# Allegro board PROC048A_BRD.brd (continued)
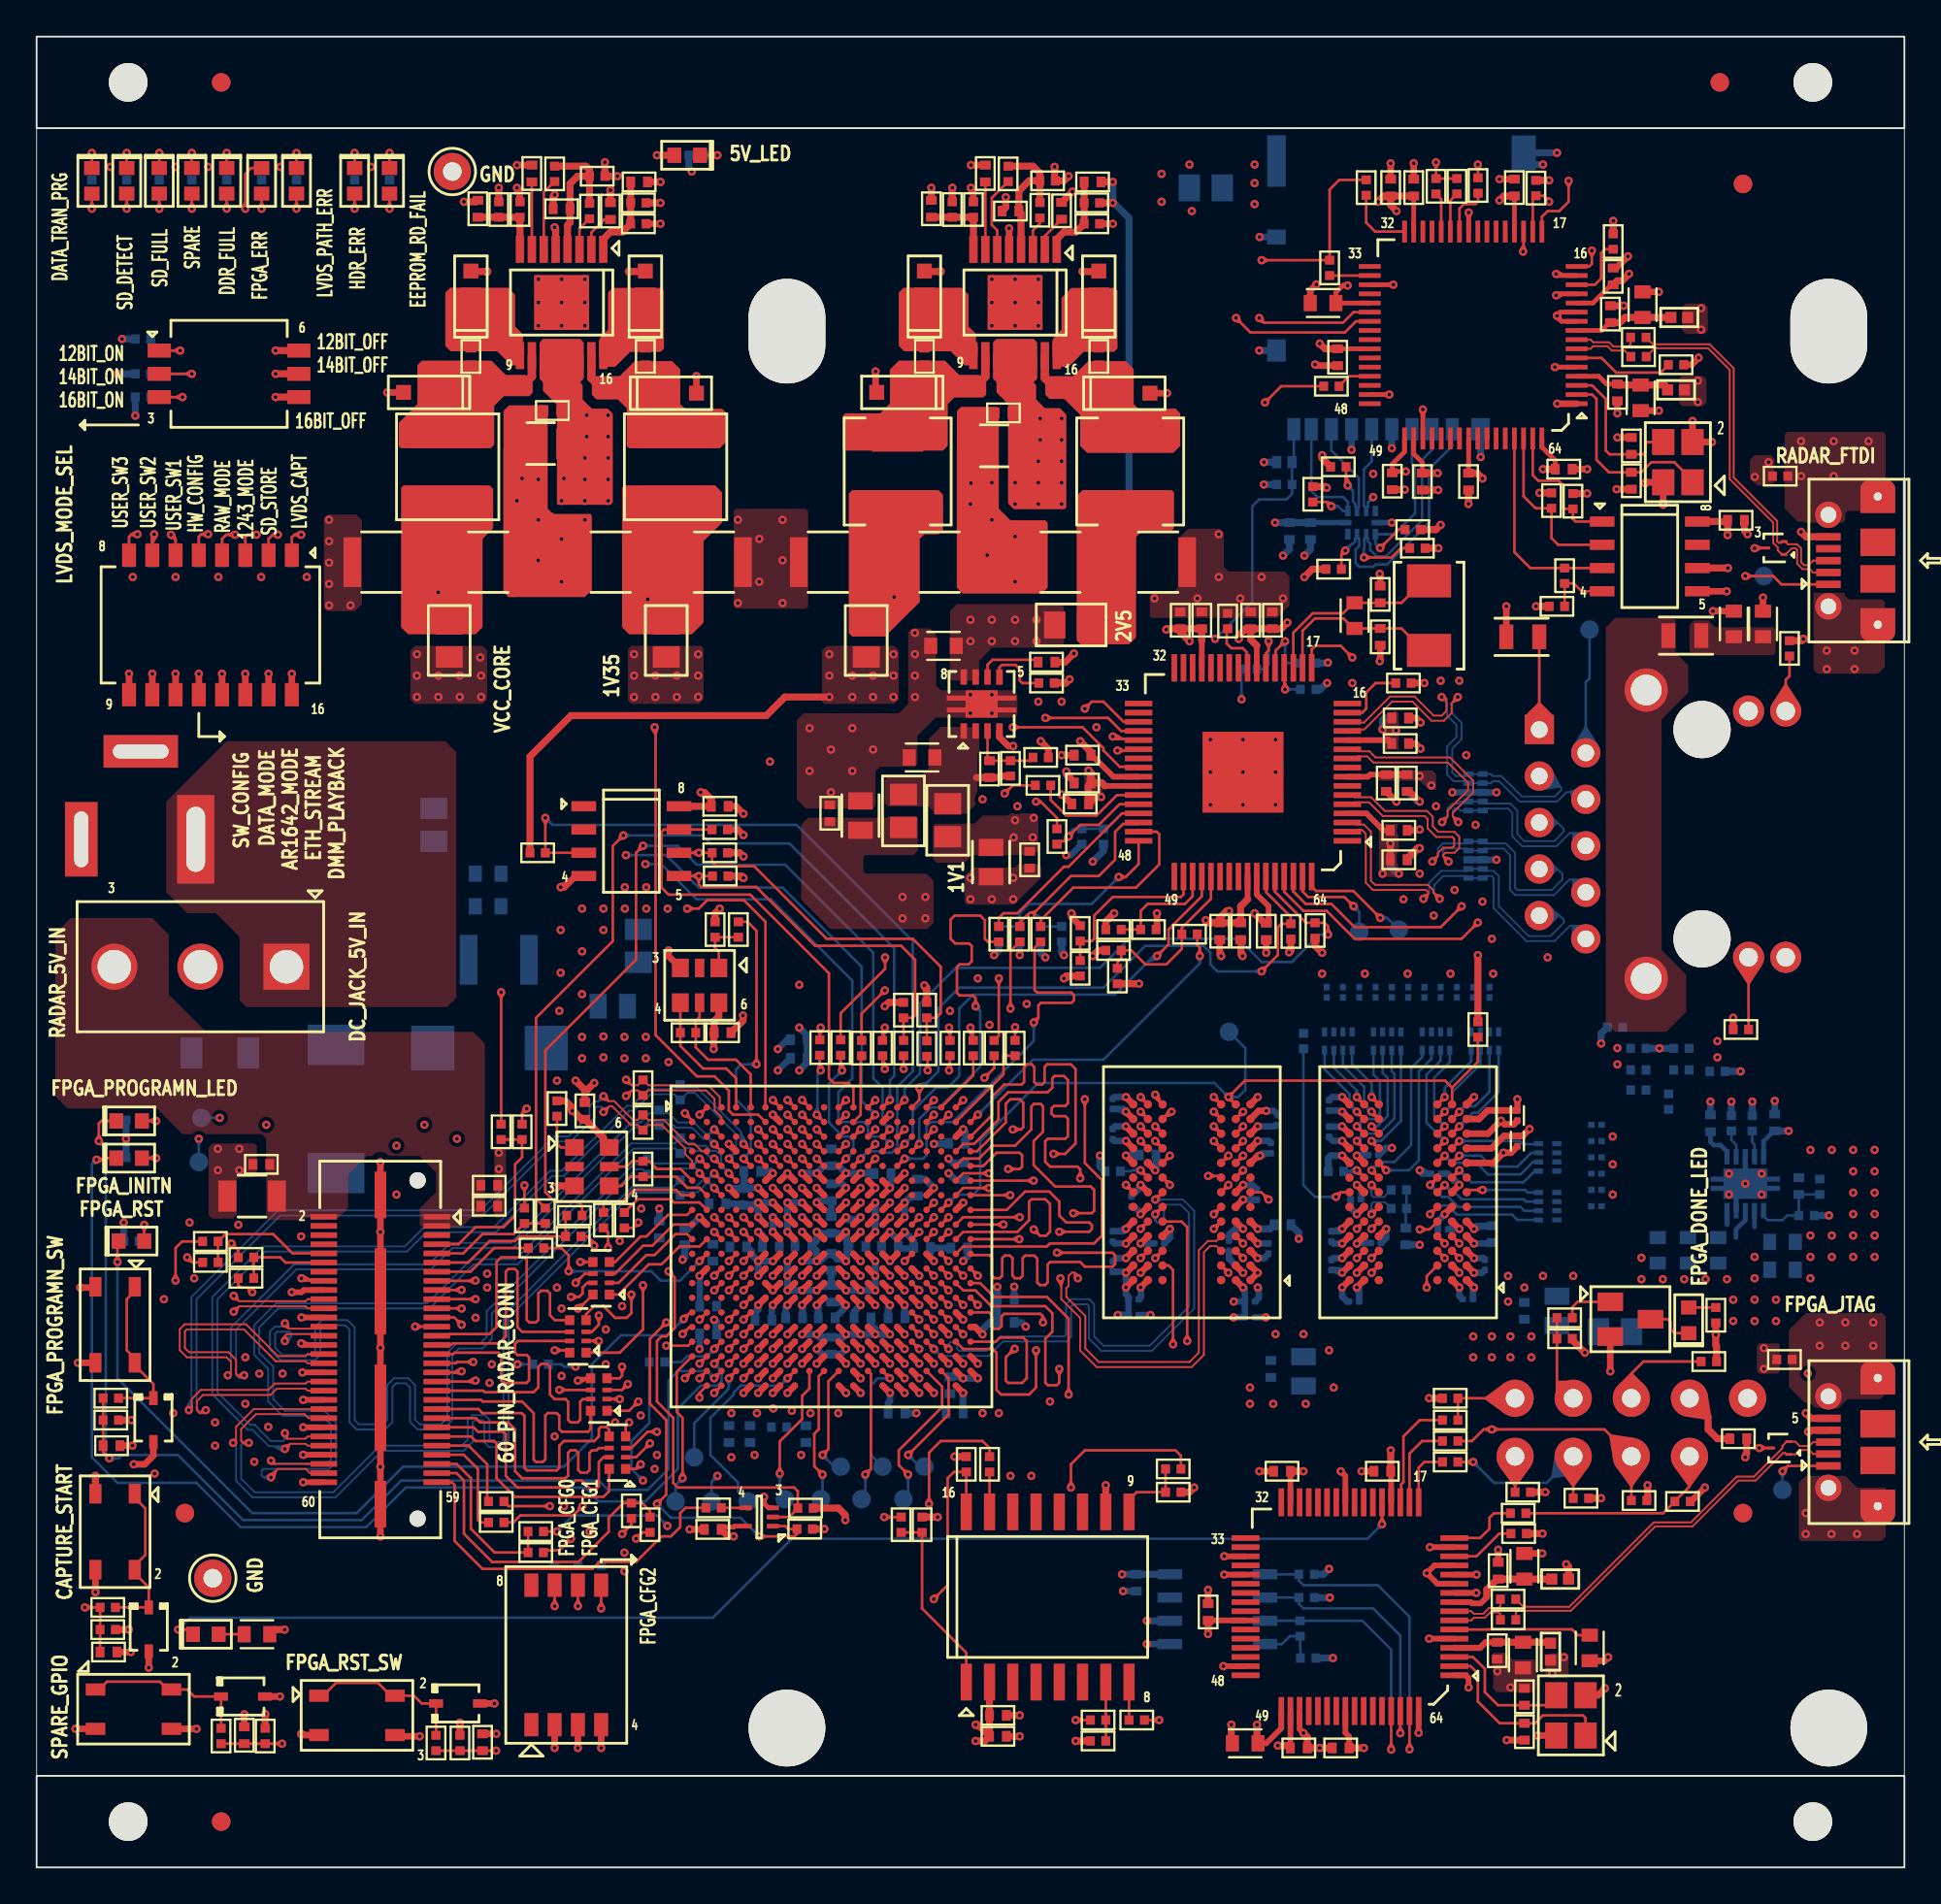
[diagram p0: board, top side]
## Placement (name value [footprint] x y rotation side) (continued)
NOREF  -  []  49.09 -45.09 0 top
NOREF#2  -  []  -337.09 -104.09 0 top
NOREF#3  -  [unnamed#2]  8.1 19.35 0 top
NOREF#4  -  [unnamed#2]  97.87 7.61 0 top
NOREF#5  -  []  50.51 23.54 0 top
NOREF#6  -  [unnamed#3]  97.87 83.91 0 top
NOREF#7  -  [unnamed#2]  40.98 83.91 0 top
NOREF#8  -  [unnamed#4]  5 97.5 0 top
NOREF#9  -  [unnamed#2]  93.19 19.35 0 top
NOREF#10  -  [unnamed#4]  5 2.5 0 top
NOREF#11  -  [unnamed#2]  10.08 2.5 0 top
NOREF#12  -  []  97.87 7.61 0 top
NOREF#13  -  []  97.87 7.61 90 top
NOREF#14  -  [unnamed#2]  91.92 97.5 0 top
NOREF#15  -  []  -14.89 -67.14 0 top
NOREF#16  -  []  -87.39 -56.45 0 top
NOREF#17  -  [unnamed#5]  40.98 7.61 0 top
NOREF#18  -  []  0 5 90 top
NOREF#19  -  [unnamed#2]  93.19 91.95 0 top
NOREF#20  -  []  0 0 90 top
NOREF#21  -  [unnamed#4]  97 2.5 0 top
NOREF#22  -  []  102 5 90 top
NOREF#23  -  [unnamed#4]  97 97.5 0 top
NOREF#24  -  []  40.98 83.91 0 top
NOREF#25  -  []  0 95 0 top
NOREF#26  -  [unnamed#2]  10.08 97.5 0 top
NOREF#27  -  []  -338.36 -84.45 0 top
NOREF#28  -  [unnamed#2]  93.19 19.35 180 bottom
NOREF#29  -  [unnamed#2]  93.19 91.95 180 bottom
NOREF#30  -  [unnamed#2]  10.08 2.5 180 bottom
NOREF#31  -  [unnamed#2]  10.08 97.5 180 bottom
NOREF#32  -  [unnamed#2]  91.92 97.5 180 bottom
NOREF#33  -  [unnamed#2]  8.1 19.35 180 bottom
Q1  MMBT3904-7-F  [TO_SOT23-123]  87.04 29.94 270 top
R1  10E  [RES0402]  30.61 92.38 0 top
R2  10E  [RES0402]  55.21 92.12 0 top
R3  0E  [RES0402]  78.72 91.87 270 top
R4  0E  [RES0402]  76.42 91.83 270 top
R5  0E  [RES0402]  77.56 91.83 270 top
R6  0E  [RES0402]  72.61 91.75 270 top
R7  10K  [RES0402_0-5]  81.88 91.73 270 top
R8  10K  [RES0402_0-5]  28.29 92.5 270 top
R9  10K  [RES0402_0-5]  53.05 92.5 270 top
R10  3.92K  [RES0402_0-5]  32.86 90.92 180 top
R11  10K  [RES0402_0-5]  57.63 90.92 180 top
R12  1.91K  [RES0402]  25.24 90.56 270 top
R13  2.21K  [RES0402]  26.4 90.56 90 top
R14  10K  [RES0402_0-5]  50.01 90.56 270 top
R15  2.21K  [RES0402]  51.16 90.56 90 top
R16  10K  [RES0402_0-5]  30.19 90.47 270 top
R17  10K  [RES0402_0-5]  54.79 90.52 270 top
R18  3.16K  [RES0402]  32.86 89.78 0 top
R19  3.16K  [RES0402]  57.63 89.78 0 top
R20  4.7K  [RES0402]  86.1 88.81 270 top
R21  1K  [RES0402]  36.04 93.52 180 bottom
R22  0E  [RES0402]  70.61 87.37 270 top
R23  0E  [RES0402]  87.47 83.57 180 top
R24  0E  [RES0402]  87.48 82.52 180 top
R25  10K  [RES0402_0-5]  89.53 82.08 180 top
R26  0E  [RES0402]  70.71 80.9 0 top
R27  0E  [RES0402]  95.22 75.99 0 top
R28  10K  [RES0402_0-5]  71.09 76.5 0 top
R29  10K  [RES0402_0-5]  69.69 75 270 top
R30  10K  [RES0402_0-5]  82.73 74.66 270 top
R31  10K  [RES0402_0-5]  83.9 74.62 270 top
R32  10K  [RES0402_0-5]  75.15 73.07 180 top
R33  10K  [RES0402_0-5]  75.41 72.06 180 top
R34  10K  [RES0402_0-5]  70.83 70.91 0 top
R35  2.2K  [RES0402_0-5]  83.45 70.55 90 top
R37  10K  [RES0402_0-5]  83.03 68.88 0 top
R38  1M  [RES0603_0-75]  71.98 68.37 270 top
R39  4.7K  [RES0402]  65.04 68.08 90 top
R40  220E  [RES0402_0-5]  95.73 66.58 270 top
R41  0E  [RES0805]  90.01 67.28 180 top
R42  0E  [RES0805]  81.16 67.21 0 top
R43  0E  [RES0402]  55.15 64.69 180 top
R44  11K  [RES0402_0-5]  74.64 64.69 0 top
R45  1.91K  [RES0402]  53.18 60.03 90 top
R46  5.11K  [RES0402]  54.83 60.63 0 top
R47  22E  [RES0402]  54.96 59.1 0 top
R48  0E  [RES0402]  55.72 56.31 90 top
R49  10K  [RES0402_0-5]  37.31 56.69 0 top
R50  10K  [RES0402_0-5]  27.36 55.42 0 top
R51  2.2K  [RES0402_0-5]  37.31 55.42 180 top
R52  2.2K  [RES0402_0-5]  37.33 54.15 180 top
R53  10K  [RES0402_0-5]  37.05 51.23 270 top
R54  0E  [RES0402]  38.32 51.23 270 top
R55  11K  [RES0402_0-5]  58.81 51.23 180 top
R56  2.49K  [RES0402]  60.72 51.23 180 top
R57  4.7K  [RES0402]  68.5 51.12 90 top
R58  2.2K  [RES0402_0-5]  69.82 51.18 90 top
R59  2.49K  [RES0402]  56.99 51.02 270 top
R60  0E  [RES0402]  52.55 50.97 270 top
R61  0E  [RES0402]  53.69 50.97 270 top
R62  0E  [RES0402]  54.83 50.97 270 top
R63  0E  [RES0402]  62.96 50.97 180 top
R64  6.04K  [RES0402]  58.81 50.08 0 top
R65  11K  [RES0402_0-5]  56.99 49.11 270 top
R66  2.49K  [RES0402]  59.02 48.69 90 top
R67  10K  [RES0402_0-5]  47.34 46.83 270 top
R68  10K  [RES0402_0-5]  48.61 46.83 270 top
R69  10K  [RES0402_0-5]  78.71 45.77 270 top
R70  220E  [RES0402_0-5]  93.07 45.77 0 top
R71  100E  [RES0402]  35.57 45.59 0 top
R72  22E  [RES0402]  42.77 44.78 90 top
R73  0E  [RES0402]  43.91 44.78 270 top
R74  22E  [RES0402]  45.05 44.75 270 top
R75  22E  [RES0402]  46.2 44.75 270 top
R76  0E  [RES0402]  47.35 44.75 270 top
R77  0E  [RES0402]  49.88 44.75 270 top
R78  0E  [RES0402]  51.15 44.75 270 top
R79  0E  [RES0402]  52.29 44.75 270 top
R80  0E  [RES0402]  53.43 44.75 270 top
R81  0E  [RES0402]  48.62 44.72 270 top
R82  100E  [RES0402]  33.11 42.59 270 top
R83  10K  [RES0402_0-5]  28.42 41.45 270 top
R84  100E  [RES0402]  33.11 40.69 270 top
R85  0E  [RES0402]  25.37 40.18 270 top
R86  0E  [RES0402]  26.51 40.18 270 top
R87  680E  [RES0402]  5.3 40.81 0 bottom
R88  100E  [RES0402]  33.11 38.15 90 top
R89  680E  [RES0402]  5.3 38.78 0 bottom
R90  0E  [RES0402]  11.43 33.32 0 top
R91  0E  [RES0402]  26.64 35.59 270 top
R92  0E  [RES0402]  27.78 35.59 270 top
R93  680E  [RES0402]  5.17 34.21 0 bottom
R94  22E  [RES0402]  30.96 35.35 270 top
R95  22E  [RES0402]  32.1 35.35 270 top
R96  0E  [RES0402]  11.43 32.18 0 top
R97  0E  [RES0402]  9.49 34.19 0 top
R98  0E  [RES0402]  27.27 33.83 180 top
R99  0E  [RES0402]  29.37 35.61 180 top
R100  0E  [RES0402]  9.49 33.05 0 top
R101  0E  [RES0402]  29.3 34.46 180 top
R103  220E  [RES0402_0-5]  91.7 30.16 90 top
R104  10K  [RES0402_0-5]  83.45 30.02 180 top
R107  10K  [RES0402_0-5]  83.45 28.88 180 top
R109  0E  [RES0402]  95.45 27.74 0 top
R111  10K  [RES0402_0-5]  91.32 27.63 180 top
R114  100E  [RES0402]  4.05 25.63 0 top
R115  4.7K  [RES0402]  77.2 25.62 180 top
R117  10K  [RES0402_0-5]  4.05 24.43 180 top
R118  0E  [RES0402]  77.2 24.43 0 top
R120  22E  [RES0402]  27.53 27.48 180 bottom
R121  0E  [RES0402]  77.2 23.29 0 top
R124  0E  [RES0402]  77.2 22.14 0 top
R125  1K  [RES0402]  50.77 22.02 270 top
R126  0E  [RES0402]  52.04 22.02 270 top
R127  0E  [RES0402]  62.07 21.76 180 top
R131  4.7K  [RES0402]  62.07 20.49 180 top
R132  10K  [RES0402_0-5]  81.16 20.49 180 top
R133  4.7K  [RES0402]  84.33 20.16 0 top
R134  4.7K  [RES0402]  87.51 20.04 0 top
R135  4.7K  [RES0402]  89.88 19.99 0 top
R136  0E  [RES0402]  25.1 19.99 180 top
R138  0E  [RES0402]  32.48 19.48 90 top
R139  0E  [RES0402]  33.5 18.72 90 top
R140  0E  [RES0402]  80.91 19.34 0 top
R141  0E  [RES0402]  25.1 18.84 180 top
R142  0E  [RES0402]  27.26 18.34 180 top
R143  0E  [RES0402]  36.97 19.64 180 top
R144  10K  [RES0402_0-5]  41.99 19.63 180 top
R145  4.7K  [RES0402]  80.93 18.23 180 top
R146  0E  [RES0402]  27.26 17.2 180 top
R147  10K  [RES0402_0-5]  41.95 18.48 180 top
R148  0E  [RES0402]  47.21 18.72 270 top
R149  4.7K  [RES0402]  48.35 18.72 270 top
R150  0E  [RES0402]  80.36 14.65 180 top
R151  100E  [RES0402]  3.89 14.2 0 top
R152  0E  [RES0402]  80.36 13.52 180 top
R153  10K  [RES0402_0-5]  3.89 12.99 180 top
R154  220E  [RES0603_0-75]  12.03 12.73 180 top
R155  12K  [RES0603_0-75]  84.82 11.98 270 top
R156  0E  [RES0402]  57.97 8.05 0 top
R157  0E  [RES0402]  60.08 8.05 180 top
R158  4.7K  [RES0402]  57.97 6.9 0 top
R159  100E  [RES0402]  10.07 7.18 90 top
R160  10K  [RES0402_0-5]  12.48 7.18 270 top
R161  100E  [RES0402]  21.81 6.8 90 top
R162  10K  [RES0402_0-5]  23.12 6.8 270 top
R163  220E  [RES0402_0-5]  19.27 91.74 90 bottom
R164  220E  [RES0402_0-5]  17.37 91.74 90 bottom
R165  220E  [RES0402_0-5]  14.19 91.74 90 bottom
R166  220E  [RES0402_0-5]  10.38 91.74 90 bottom
R167  220E  [RES0402_0-5]  12.29 91.74 90 bottom
R168  220E  [RES0402_0-5]  8.48 91.74 90 bottom
R169  220E  [RES0402_0-5]  6.7 91.74 90 bottom
R170  220E  [RES0402_0-5]  4.92 91.74 90 bottom
R171  220E  [RES0402_0-5]  3.02 91.74 90 bottom
R172  10K  [RES0402_0-5]  68.14 75.54 0 bottom
R173  10K  [RES0402_0-5]  13.94 71.67 90 bottom
R174  10K  [RES0402_0-5]  12.67 71.67 90 bottom
R175  10K  [RES0402_0-5]  11.4 71.67 90 bottom
R176  10K  [RES0402_0-5]  10.13 71.67 90 bottom
R177  10K  [RES0402_0-5]  8.86 71.67 90 bottom
R178  10K  [RES0402_0-5]  7.59 71.67 90 bottom
R179  10K  [RES0402_0-5]  6.32 71.67 90 bottom
R180  10K  [RES0402_0-5]  5.05 71.67 90 bottom
R181  2.2K  [RES0402_0-5]  69.44 65.78 180 bottom
R182  22E  [RES0402]  66.22 65.45 0 bottom
R183  2.2K  [RES0402_0-5]  69.44 64.34 180 bottom
R184  6.04K  [RES0402]  58.26 56.31 90 bottom
R185  2.49K  [RES0402]  57.08 56.31 90 bottom
R186  11K  [RES0402_0-5]  55.97 50.97 270 bottom
R187  2.49K  [RES0402]  54.83 50.97 90 bottom
R188  2.49K  [RES0402]  53.69 50.97 90 bottom
R189  11K  [RES0402_0-5]  52.55 50.97 270 bottom
R190  0E  [RES0402]  86.2 45.89 180 bottom
R191  50E  [RES0402]  69.18 45.13 90 bottom
R192  0E  [RES0402]  89.82 44.74 0 bottom
R193  0E  [RES0402]  87.47 44.74 180 bottom
R194  0E  [RES0402]  89.82 43.56 180 bottom
R195  0E  [RES0402]  87.47 43.56 180 bottom
R196  0E  [RES0402]  91.79 43.48 0 bottom
R197  0E  [RES0402]  87.47 42.46 0 bottom
R198  100E  [RES0402]  35.15 42.34 90 bottom
R199  0E  [RES0402]  89.12 41.83 90 bottom
R200  100E  [RES0402]  34 40.94 270 bottom
R201  10K  [RES0402_0-5]  93.69 40.65 270 bottom
R202  10K  [RES0402_0-5]  92.55 40.65 270 bottom
R203  100E  [RES0402]  35.15 39.42 270 bottom
R204  100E  [RES0402]  33.37 38.27 90 bottom
R205  240E  [RES0402]  70.96 38.02 180 bottom
R206  240E  [RES0402]  58.77 38.02 180 bottom
R207  10K  [RES0402_0-5]  97.38 37.18 90 bottom
R208  100E  [RES0402]  35.15 37.13 90 bottom
R209  50E  [RES0402]  74.39 37 0 bottom
R210  50E  [RES0402]  74.39 35.99 0 bottom
R211  10K  [RES0402_0-5]  96.65 35.61 180 bottom
R213  33E  [RES0402_0-5]  33.88 27.61 0 bottom
R214  0E  [RES0402]  40.54 24.05 0 bottom
R215  1K  [RES0402]  30.83 16.07 270 bottom
R216  1K  [RES0402]  29.56 16.07 270 bottom
R217  1K  [RES0402]  28.29 16.07 270 bottom
R218  10K  [RES0402_0-5]  69.35 16.01 180 bottom
R219  10K  [RES0402_0-5]  69.36 14.74 180 bottom
R220  2.2K  [RES0402_0-5]  69 13.05 90 bottom
R221  10K  [RES0402_0-5]  69.44 11.44 180 bottom
R222  10K  [RES0402_0-5]  5.81 81.58 180 bottom
R223  10K  [RES0402_0-5]  5.81 83.49 180 bottom
R224  10K  [RES0402_0-5]  5.81 80.31 180 bottom
RA1  22E  [RESA_EXB28V_0402-4_0-5]  30.83 32.18 90 top
RA2  22E  [RESA_EXB28V_0402-4_0-5]  29.56 29 90 top
RA3  22E  [RESA_EXB28V_0402-4_0-5]  30.7 25.83 90 top
RA4  22E  [RESA_EXB28V_0402-4_0-5]  31.72 22.65 90 top
RA5  51E  [RESA_741C_0402-4_0-5]  79.09 45.13 0 bottom
RA6  51E  [RESA_741C_0402-4_0-5]  76.42 45.13 0 bottom
RA7  51E  [RESA_741C_0402-4_0-5]  73.75 45.13 0 bottom
RA8  51E  [RESA_741C_0402-4_0-5]  71.09 45.13 0 bottom
RA9  51E  [RESA_741C_0402-4_0-5]  82.52 38.78 270 bottom
RA10  51E  [RESA_741C_0402-4_0-5]  82.52 36.11 270 bottom
S1  TDA04H0SB1R  [SW8_50X300_245X245_SMD]  28.92 11.6 0 top
SW1  416131160803  [SW6_4161311608_210X230_SMD_2-7]  10.51 81.58 270 top
SW2  218-8LPSTR  [SW8_218-8LPST_450X230_SMD_2-7]  9.49 67.86 180 top
SW3  500SSP1S2M2QEA  [SW3_500SSP1S2M2_510X260_TH_15-1]  13.64 49.2 180 top
SW4  PTS810 SJG 250 SMTR LFS  [SW4_84X163_170X130_SMD]  4.29 29.64 270 top
SW5  PTS810 SJG 250 SMTR LFS  [SW4_84X163_170X130_SMD]  4.29 18.33 270 top
SW6  PTS810 SJG 250 SMTR LFS  [SW4_84X163_170X130_SMD]  5.29 8.64 0 top
SW7  PTS810 SJG 250 SMTR LFS  [SW4_84X163_170X130_SMD]  17.49 8.3 0 top
TP1  THRU HOLE  [TP_40X80]  80.74 25.62 180 bottom
TP2  THRU HOLE  [TP_40X80]  83.91 25.62 180 bottom
TP3  THRU HOLE  [TP_40X80]  87.09 25.62 180 bottom
TP4  THRU HOLE  [TP_40X80]  90.26 25.62 90 bottom
TP5  THRU HOLE  [TP_40X80]  93.44 25.62 90 bottom
TP6  THRU HOLE  [TP_40X80]  80.74 22.45 180 bottom
TP7  THRU HOLE  [TP_40X80]  83.91 22.45 90 bottom
TP8  THRU HOLE  [TP_40X80]  87.09 22.45 180 bottom
TP9  THRU HOLE  [TP_40X80]  90.26 22.45 180 bottom
TP10  SMD  [TP40_SMD]  84.8 67.61 180 bottom
TP11  SMD  [TP40_SMD]  74.39 51.23 180 bottom
TP12  SMD  [TP40_SMD]  72.23 51.1 180 bottom
TP13  SMD  [TP40_SMD]  65.12 45.64 180 bottom
TP14  SMD  [TP40_SMD]  35.91 22.4 180 bottom
TP15  SMD  [TP40_SMD]  48.48 21.89 180 bottom
TP16  SMD  [TP40_SMD]  46.2 21.89 180 bottom
TP17  SMD  [TP40_SMD]  43.91 21.89 180 bottom
TP18  SMD  [TP40_SMD]  47.34 20.11 180 bottom
TP19  SMD  [TP40_SMD]  45.05 20.11 180 bottom
TP20  SMD  [TP40_SMD]  42.83 20.11 180 bottom
TP21  SMD  [TP40_SMD]  40.86 20.11 180 bottom
TP22  SMD  [TP40_SMD]  38.83 19.99 180 bottom
TP23  SMD  [TP40_SMD]  36.86 19.99 180 bottom
TP27  SMD  [TP40_SMD]  8.98 40.94 180 bottom
TP28  SMD  [TP40_SMD]  8.86 38.53 180 bottom
TP29  SMD  [TP40_SMD]  34.89 19.99 180 bottom
TP30  SMD  [TP40_SMD]  95.34 20.62 180 bottom
TP31  SMD  [TP40_SMD]  94.33 70.53 180 bottom
TP32  THRU HOLE  [TP_40X80]  9.62 15.79 0 top
TP33  THRU HOLE  [TP_40X80]  22.7 92.63 0 top
U1  LM26400YMHX  [ETSSOP16_25-59_200X180]  28.67 85.48 270 top
U2  LM26400YMHX  [ETSSOP16_25-59_200X180]  53.43 85.48 270 top
U3  FT4232HL  [LQFP64_19-68_390X390]  78.45 83.7 180 top
U4  93LC56C-I/SN  [SOIC8_1-8]  88.09 71.61 0 top
U5  TPS7A8101DRBT  [SON8_25-59_120X120]  51.61 63.55 90 top
U6  DP83867IRPAPT  [EQFP64_19-68_400X400]  65.88 59.82 180 top
U7  AT24CM02  [SOIC8]  32.48 56.05 0 top
U8  100.000MHz  [OSC6_ASEMP_130X100_SMD_0-9]  36.2 48.18 180 top
U9  100.000MHz  [OSC6_ASEMP_130X100_SMD_0-9]  30.32 38.27 270 top
U10  MT41K1G8SN-125 IT:A  [FBGA78_31-49_360X520_1-2]  63.09 36.88 180 top
U11  MT41K1G8SN-125 IT:A  [FBGA78_31-49_360X520_1-2]  74.9 36.88 180 top
U12  LFE5UM-85F-8BG381I  [CABGA381_31-49_670X670_1-8]  43.4 33.91 0 top
U13  SN74LVC1G08DRLR  [SOT553-5_0-6]  39.46 19.14 180 top
U14  MT25QL128ABA8ESF-0SIT  [SOIC16_W_2-7]  55.21 14.77 90 top
U15  FT2232HL  [LQFP64_19-68_400X400]  71.72 14.24 180 top
U16  TPD6E001RSER  [UQFN10_19-68_80X60_0-6]  72.36 73.45 270 bottom
U17  TPD4E05U06QDQARQ1  [USON10_TPD4E05U_40X100_0-6]  78.58 58.72 180 bottom
U18  TPD4E05U06QDQARQ1  [USON10_TPD4E05U_40X100_0-6]  78.58 55.04 180 bottom
U19  TPS51200DRCT  [SON10_19-68_125X125_1]  93.31 37.34 90 bottom
U20  93LC56C-I/SN  [SOIC8_1-8]  64.48 14.1 180 bottom
Y1  12.000MHz  [XTAL4_86-61X62-99_130X105_SMD_0-6]  89.63 76.75 90 top
Y2  25.000MHz  [XTAL_ABM3_205X130_SMD_1-4]  76.04 68.37 270 top
Y3  12.000MHz  [XTAL4_86-61X62-99_130X105_SMD_0-6]  83.79 8.3 90 top

## Library data of the parts
C1-C125 C127-C216 = CAP
C126 = CAP_POL
D1-D8 = DIODE_SCHOTTKY
D9 D11 = TPD2EUSB30D_SOT-3
D10 D12-D14 = DIODE_SOD323
D15 = DIODE_PESD
D16 = DIODE_TVS_DUAL
F1 = FUSE
FB1-FB4 = INDUCTOR_FERRITE
FL1-FL10 = EMIFILTER_IND
J1 J4 = CON_USB-B_5_4SH
J2 = CON_PWRJACK3_RAPC722
J3 = CON_PMC_30X2_M
J5 = CON_SDCARD_8_DM3AT-SF-PEJM
J6 = CON_RJ45-14_LPJG16414A4NL
L1-L4 = INDUCTOR
LD1-LD15 = DIODE_LED
Q1 = NPN_BEC
R1-R22 R25-R34 R37-R46 R49 R50 R53 R54 R57 R63 R64 R67-R71 R73 R75 R76 R81-R84 R86-R90 R92 R93 R97-R100 R103 R104 R107 R109 R111 R114 R115 R117 R118 R121 R124-R127 R131-R136 R138-R149 R151 R153-R180 R182 R184 R190-R211 R213-R219 R221-R224 = RESISTOR
R23 R24 R48 R60-R62 R77-R80 R85 R91 R96 R101 R150 R152 = RESISTOR: signal model: RESISTOR_RES0402_0-5_0E_0E
R35 R51 R52 R55 R56 R58 R59 R65 R66 R181 R183 R185-R189 R220 = RESISTOR: room: PHY_6
R47 R72 R74 R94 R95 R120 = RESISTOR: signal model: RESISTOR_RES0402_22E_1%_22E_1%
RA1-RA4 = RESARR_ISO4: signal model: RESARR_ISO4_RESA_EXB28V_0402-4__22E
RA5-RA10 = RESARR_ISO4
S1 = SW8_TDA04H0SB1R
SW1 = SW6_219-3MST
SW2 = SW8_218-8LPSTR
SW3 = SW3_1103
SW4-SW7 = SW4_1571634
TP1-TP23 TP27-TP33 = TESTPOINT
U1 U2 = LM26400YMHX_HTSSOP16
U3 = FT4232H _LQFP64
U4 U20 = 93LC56B-I/SN_SOIC8
U5 = TPS7A8101DRB_SON8
U6 = DP83867IRPAPT_HTQFP64
U7 = AT24CM02-SSHD_SOIC8
U8 U9 = OSC6_ASEMPXX
U10 U11 = MT41J128M8JP-125_FBGA78
U12 = LFE5UM-85F-7BG381I_CSBGA381
U13 = SN74LVC1G08DRLR_SOT553-5
U14 = MT25QL128ABA8ESF_SOIC16
U15 = FT2232H_LQFP64
U16 = TPD6E001RSE_UQFN10
U17 U18 = TPD4E05U06DQAR_USON10
U19 = TPS51200DRCT_SON10
Y1 Y3 = CRY4_13
Y2 = CRY

## Footprints (pads in the part's own frame, mm; a bottom-side part is the same pattern mirrored in y, then rotated)
CABGA381_31-49_670X670_1-8
  round 0.356 smd: A2(-6.8,7.6) A3(-6,7.6) A4(-5.2,7.6) A5(-4.4,7.6) A6(-3.6,7.6) A7(-2.8,7.6) A8(-2,7.6) A9(-1.2,7.6) A10(-0.4,7.6) A11(0.4,7.6) A12(1.2,7.6) A13(2,7.6) A14(2.8,7.6) A15(3.6,7.6) A16(4.4,7.6) A17(5.2,7.6) A18(6,7.6) A19(6.8,7.6) B1(-7.6,6.8) B2(-6.8,6.8) B3(-6,6.8) B4(-5.2,6.8) B5(-4.4,6.8) B6(-3.6,6.8) B7(-2.8,6.8) B8(-2,6.8) B9(-1.2,6.8) B10(-0.4,6.8) B11(0.4,6.8) B12(1.2,6.8) B13(2,6.8) B14(2.8,6.8) B15(3.6,6.8) B16(4.4,6.8) B17(5.2,6.8) B18(6,6.8) B19(6.8,6.8) B20(7.6,6.8) C1(-7.6,6) C2(-6.8,6) C3(-6,6) C4(-5.2,6) C5(-4.4,6) C6(-3.6,6) C7(-2.8,6) C8(-2,6) C9(-1.2,6) C10(-0.4,6) C11(0.4,6) C12(1.2,6) C13(2,6) C14(2.8,6) C15(3.6,6) C16(4.4,6) C17(5.2,6) C18(6,6) C19(6.8,6) C20(7.6,6) D1(-7.6,5.2) D2(-6.8,5.2) D3(-6,5.2) D4(-5.2,5.2) D5(-4.4,5.2) D6(-3.6,5.2) D7(-2.8,5.2) D8(-2,5.2) D9(-1.2,5.2) D10(-0.4,5.2) D11(0.4,5.2) D12(1.2,5.2) D13(2,5.2) D14(2.8,5.2) D15(3.6,5.2) D16(4.4,5.2) D17(5.2,5.2) D18(6,5.2) D19(6.8,5.2) D20(7.6,5.2) E1(-7.6,4.4) E2(-6.8,4.4) E3(-6,4.4) E4(-5.2,4.4) E5(-4.4,4.4) E6(-3.6,4.4) E7(-2.8,4.4) E8(-2,4.4) E9(-1.2,4.4) E10(-0.4,4.4) E11(0.4,4.4) E12(1.2,4.4) E13(2,4.4) E14(2.8,4.4) E15(3.6,4.4) E16(4.4,4.4) E17(5.2,4.4) E18(6,4.4) E19(6.8,4.4) E20(7.6,4.4) F1(-7.6,3.6) F2(-6.8,3.6) F3(-6,3.6) F4(-5.2,3.6) F5(-4.4,3.6) F6(-3.6,3.6) F7(-2.8,3.6) F8(-2,3.6) F9(-1.2,3.6) F10(-0.4,3.6) F11(0.4,3.6) F12(1.2,3.6) F13(2,3.6) F14(2.8,3.6) F15(3.6,3.6) F16(4.4,3.6) F17(5.2,3.6) F18(6,3.6) F19(6.8,3.6) F20(7.6,3.6) G1(-7.6,2.8) G2(-6.8,2.8) G3(-6,2.8) G4(-5.2,2.8) G5(-4.4,2.8) G6(-3.6,2.8) G7(-2.8,2.8) G8(-2,2.8) G9(-1.2,2.8) G10(-0.4,2.8) G11(0.4,2.8) G12(1.2,2.8) G13(2,2.8) G14(2.8,2.8) G15(3.6,2.8) G16(4.4,2.8) G17(5.2,2.8) G18(6,2.8) G19(6.8,2.8) G20(7.6,2.8) H1(-7.6,2) H2(-6.8,2) H3(-6,2) H4(-5.2,2) H5(-4.4,2) H6(-3.6,2) H7(-2.8,2) H8(-2,2) H9(-1.2,2) H10(-0.4,2) H11(0.4,2) H12(1.2,2) H13(2,2) H14(2.8,2) H15(3.6,2) H16(4.4,2) H17(5.2,2) H18(6,2) H19(6.8,2) H20(7.6,2) J1(-7.6,1.2) J2(-6.8,1.2) J3(-6,1.2) J4(-5.2,1.2) J5(-4.4,1.2) J6(-3.6,1.2) J7(-2.8,1.2) J8(-2,1.2) J9(-1.2,1.2) J10(-0.4,1.2) J11(0.4,1.2) J12(1.2,1.2) J13(2,1.2) J14(2.8,1.2) J15(3.6,1.2) J16(4.4,1.2) J17(5.2,1.2) J18(6,1.2) J19(6.8,1.2) J20(7.6,1.2) K1(-7.6,0.4) K2(-6.8,0.4) K3(-6,0.4) K4(-5.2,0.4) K5(-4.4,0.4) K6(-3.6,0.4) K7(-2.8,0.4) K8(-2,0.4) K9(-1.2,0.4) K10(-0.4,0.4) K11(0.4,0.4) K12(1.2,0.4) K13(2,0.4) K14(2.8,0.4) K15(3.6,0.4) K16(4.4,0.4) K17(5.2,0.4) K18(6,0.4) K19(6.8,0.4) K20(7.6,0.4) L1(-7.6,-0.4) L2(-6.8,-0.4) L3(-6,-0.4) L4(-5.2,-0.4) L5(-4.4,-0.4) L6(-3.6,-0.4) L7(-2.8,-0.4) L8(-2,-0.4) L9(-1.2,-0.4) L10(-0.4,-0.4) L11(0.4,-0.4) L12(1.2,-0.4) L13(2,-0.4) L14(2.8,-0.4) L15(3.6,-0.4) L16(4.4,-0.4) L17(5.2,-0.4) L18(6,-0.4) L19(6.8,-0.4) L20(7.6,-0.4) M1(-7.6,-1.2) M2(-6.8,-1.2) M3(-6,-1.2) M4(-5.2,-1.2) M5(-4.4,-1.2) M6(-3.6,-1.2) M7(-2.8,-1.2) M8(-2,-1.2) M9(-1.2,-1.2) M10(-0.4,-1.2) M11(0.4,-1.2) M12(1.2,-1.2) M13(2,-1.2) M14(2.8,-1.2) M15(3.6,-1.2) M16(4.4,-1.2) M17(5.2,-1.2) M18(6,-1.2) M19(6.8,-1.2) M20(7.6,-1.2) N1(-7.6,-2) N2(-6.8,-2) N3(-6,-2) N4(-5.2,-2) N5(-4.4,-2) N6(-3.6,-2) N7(-2.8,-2) N8(-2,-2) N9(-1.2,-2) N10(-0.4,-2) N11(0.4,-2) N12(1.2,-2) N13(2,-2) N14(2.8,-2) N15(3.6,-2) N16(4.4,-2) N17(5.2,-2) N18(6,-2) N19(6.8,-2) N20(7.6,-2) P1(-7.6,-2.8) P2(-6.8,-2.8) P3(-6,-2.8) P4(-5.2,-2.8) P5(-4.4,-2.8) P6(-3.6,-2.8) P7(-2.8,-2.8) P8(-2,-2.8) P9(-1.2,-2.8) P10(-0.4,-2.8) P11(0.4,-2.8) P12(1.2,-2.8) P13(2,-2.8) P14(2.8,-2.8) P15(3.6,-2.8) P16(4.4,-2.8) P17(5.2,-2.8) P18(6,-2.8) P19(6.8,-2.8) P20(7.6,-2.8) R1(-7.6,-3.6) R2(-6.8,-3.6) R3(-6,-3.6) R4(-5.2,-3.6) R5(-4.4,-3.6) R16(4.4,-3.6) R17(5.2,-3.6) R18(6,-3.6) R19(6.8,-3.6) R20(7.6,-3.6) T1(-7.6,-4.4) T2(-6.8,-4.4) T3(-6,-4.4) T4(-5.2,-4.4) T5(-4.4,-4.4) T6(-3.6,-4.4) T7(-2.8,-4.4) T8(-2,-4.4) T9(-1.2,-4.4) T10(-0.4,-4.4) T11(0.4,-4.4) T12(1.2,-4.4) T13(2,-4.4) T14(2.8,-4.4) T15(3.6,-4.4) T16(4.4,-4.4) T17(5.2,-4.4) T18(6,-4.4) T19(6.8,-4.4) T20(7.6,-4.4) U1(-7.6,-5.2) U2(-6.8,-5.2) U3(-6,-5.2) U4(-5.2,-5.2) U5(-4.4,-5.2) U6(-3.6,-5.2) U7(-2.8,-5.2) U8(-2,-5.2) U9(-1.2,-5.2) U10(-0.4,-5.2) U11(0.4,-5.2) U12(1.2,-5.2) U13(2,-5.2) U14(2.8,-5.2) U15(3.6,-5.2) U16(4.4,-5.2) U17(5.2,-5.2) U18(6,-5.2) U19(6.8,-5.2) U20(7.6,-5.2) V1(-7.6,-6) V2(-6.8,-6) V3(-6,-6) V4(-5.2,-6) V5(-4.4,-6) V6(-3.6,-6) V7(-2.8,-6) V8(-2,-6) V9(-1.2,-6) V10(-0.4,-6) V11(0.4,-6) V12(1.2,-6) V13(2,-6) V14(2.8,-6) V15(3.6,-6) V16(4.4,-6) V17(5.2,-6) V18(6,-6) V19(6.8,-6) V20(7.6,-6) W1(-7.6,-6.8) W2(-6.8,-6.8) W3(-6,-6.8) W4(-5.2,-6.8) W5(-4.4,-6.8) W6(-3.6,-6.8) W7(-2.8,-6.8) W8(-2,-6.8) W9(-1.2,-6.8) W10(-0.4,-6.8) W11(0.4,-6.8) W12(1.2,-6.8) W13(2,-6.8) W14(2.8,-6.8) W15(3.6,-6.8) W16(4.4,-6.8) W17(5.2,-6.8) W18(6,-6.8) W19(6.8,-6.8) W20(7.6,-6.8) Y2(-6.8,-7.6) Y3(-6,-7.6) Y5(-4.4,-7.6) Y6(-3.6,-7.6) Y7(-2.8,-7.6) Y8(-2,-7.6) Y11(0.4,-7.6) Y12(1.2,-7.6) Y14(2.8,-7.6) Y15(3.6,-7.6) Y16(4.4,-7.6) Y17(5.2,-7.6) Y19(6.8,-7.6)